# Altium PCB wtc_spi.PcbDoc (part 1 of 2)
Units mm, origin at the board's own origin, x right, y up, seen from the top; angles counter-clockwise.
Board outline 131 x 99 mm, 2 copper layers (Top Layer, Bottom Layer), stack 1.571 mm thick; 159 components, 104 nets, 783 pads, 158 vias.
Unrouted connection lines stored in the file: 1.
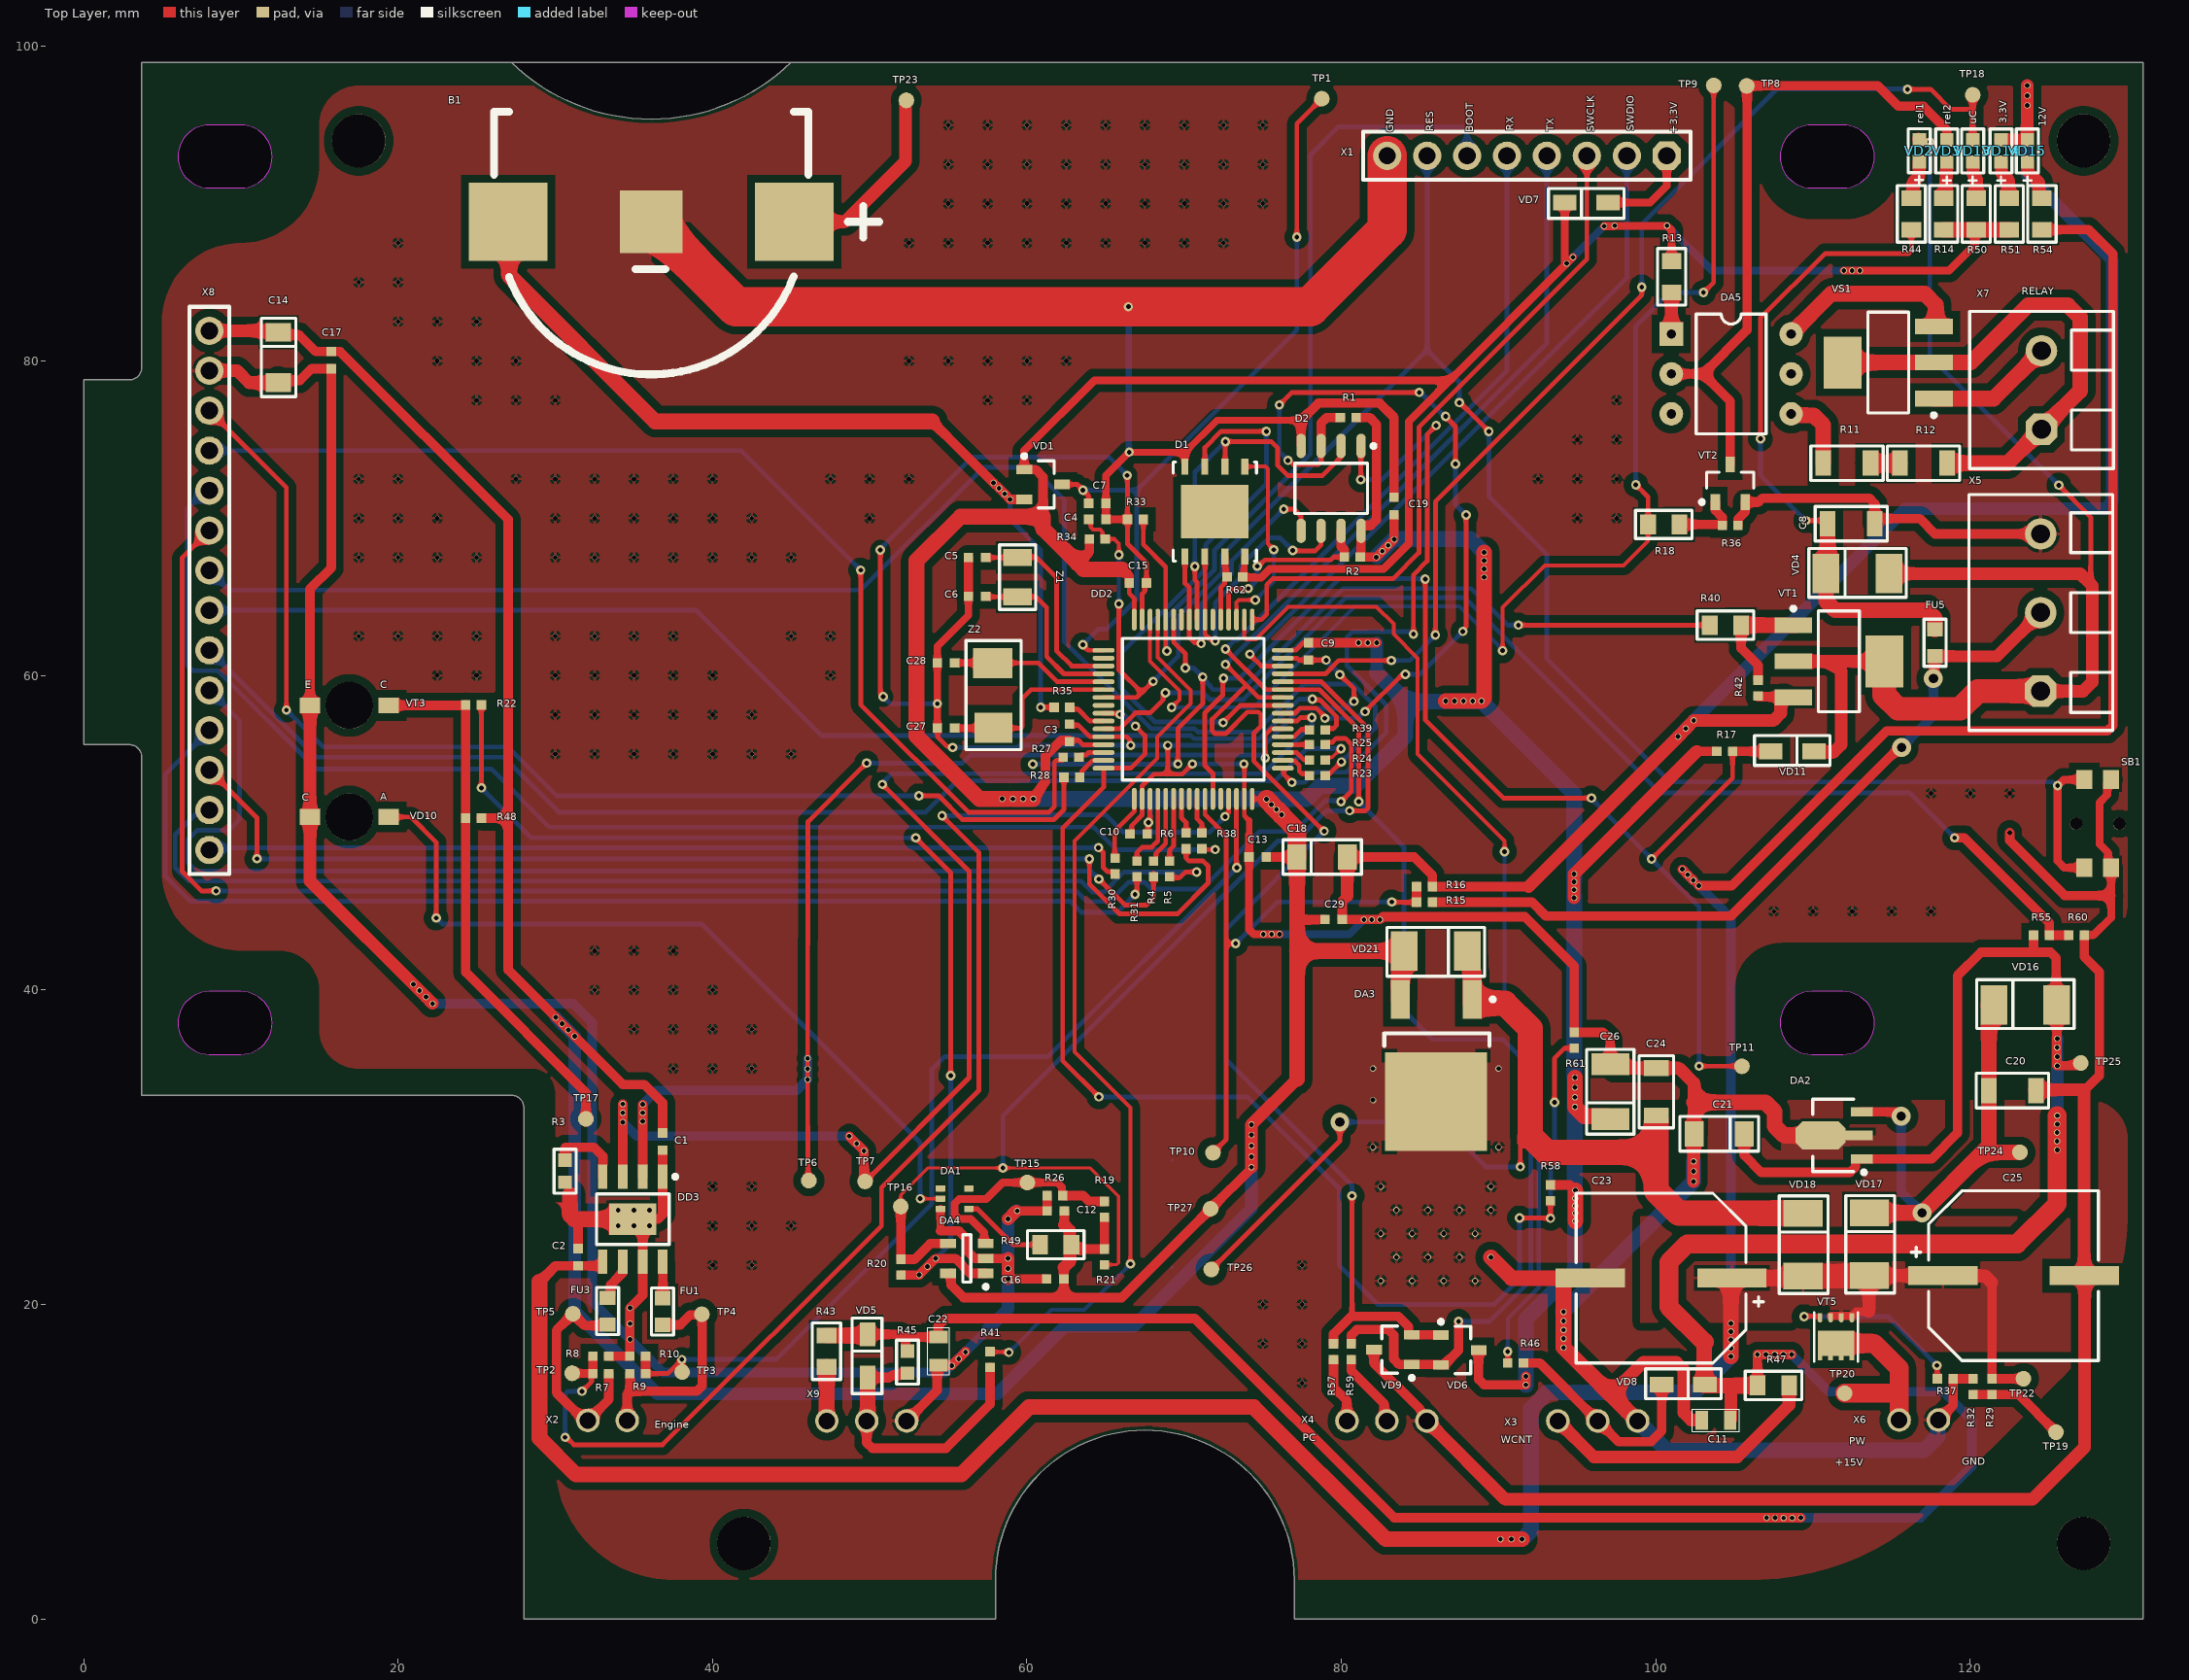
[diagram p0: Top Layer view]
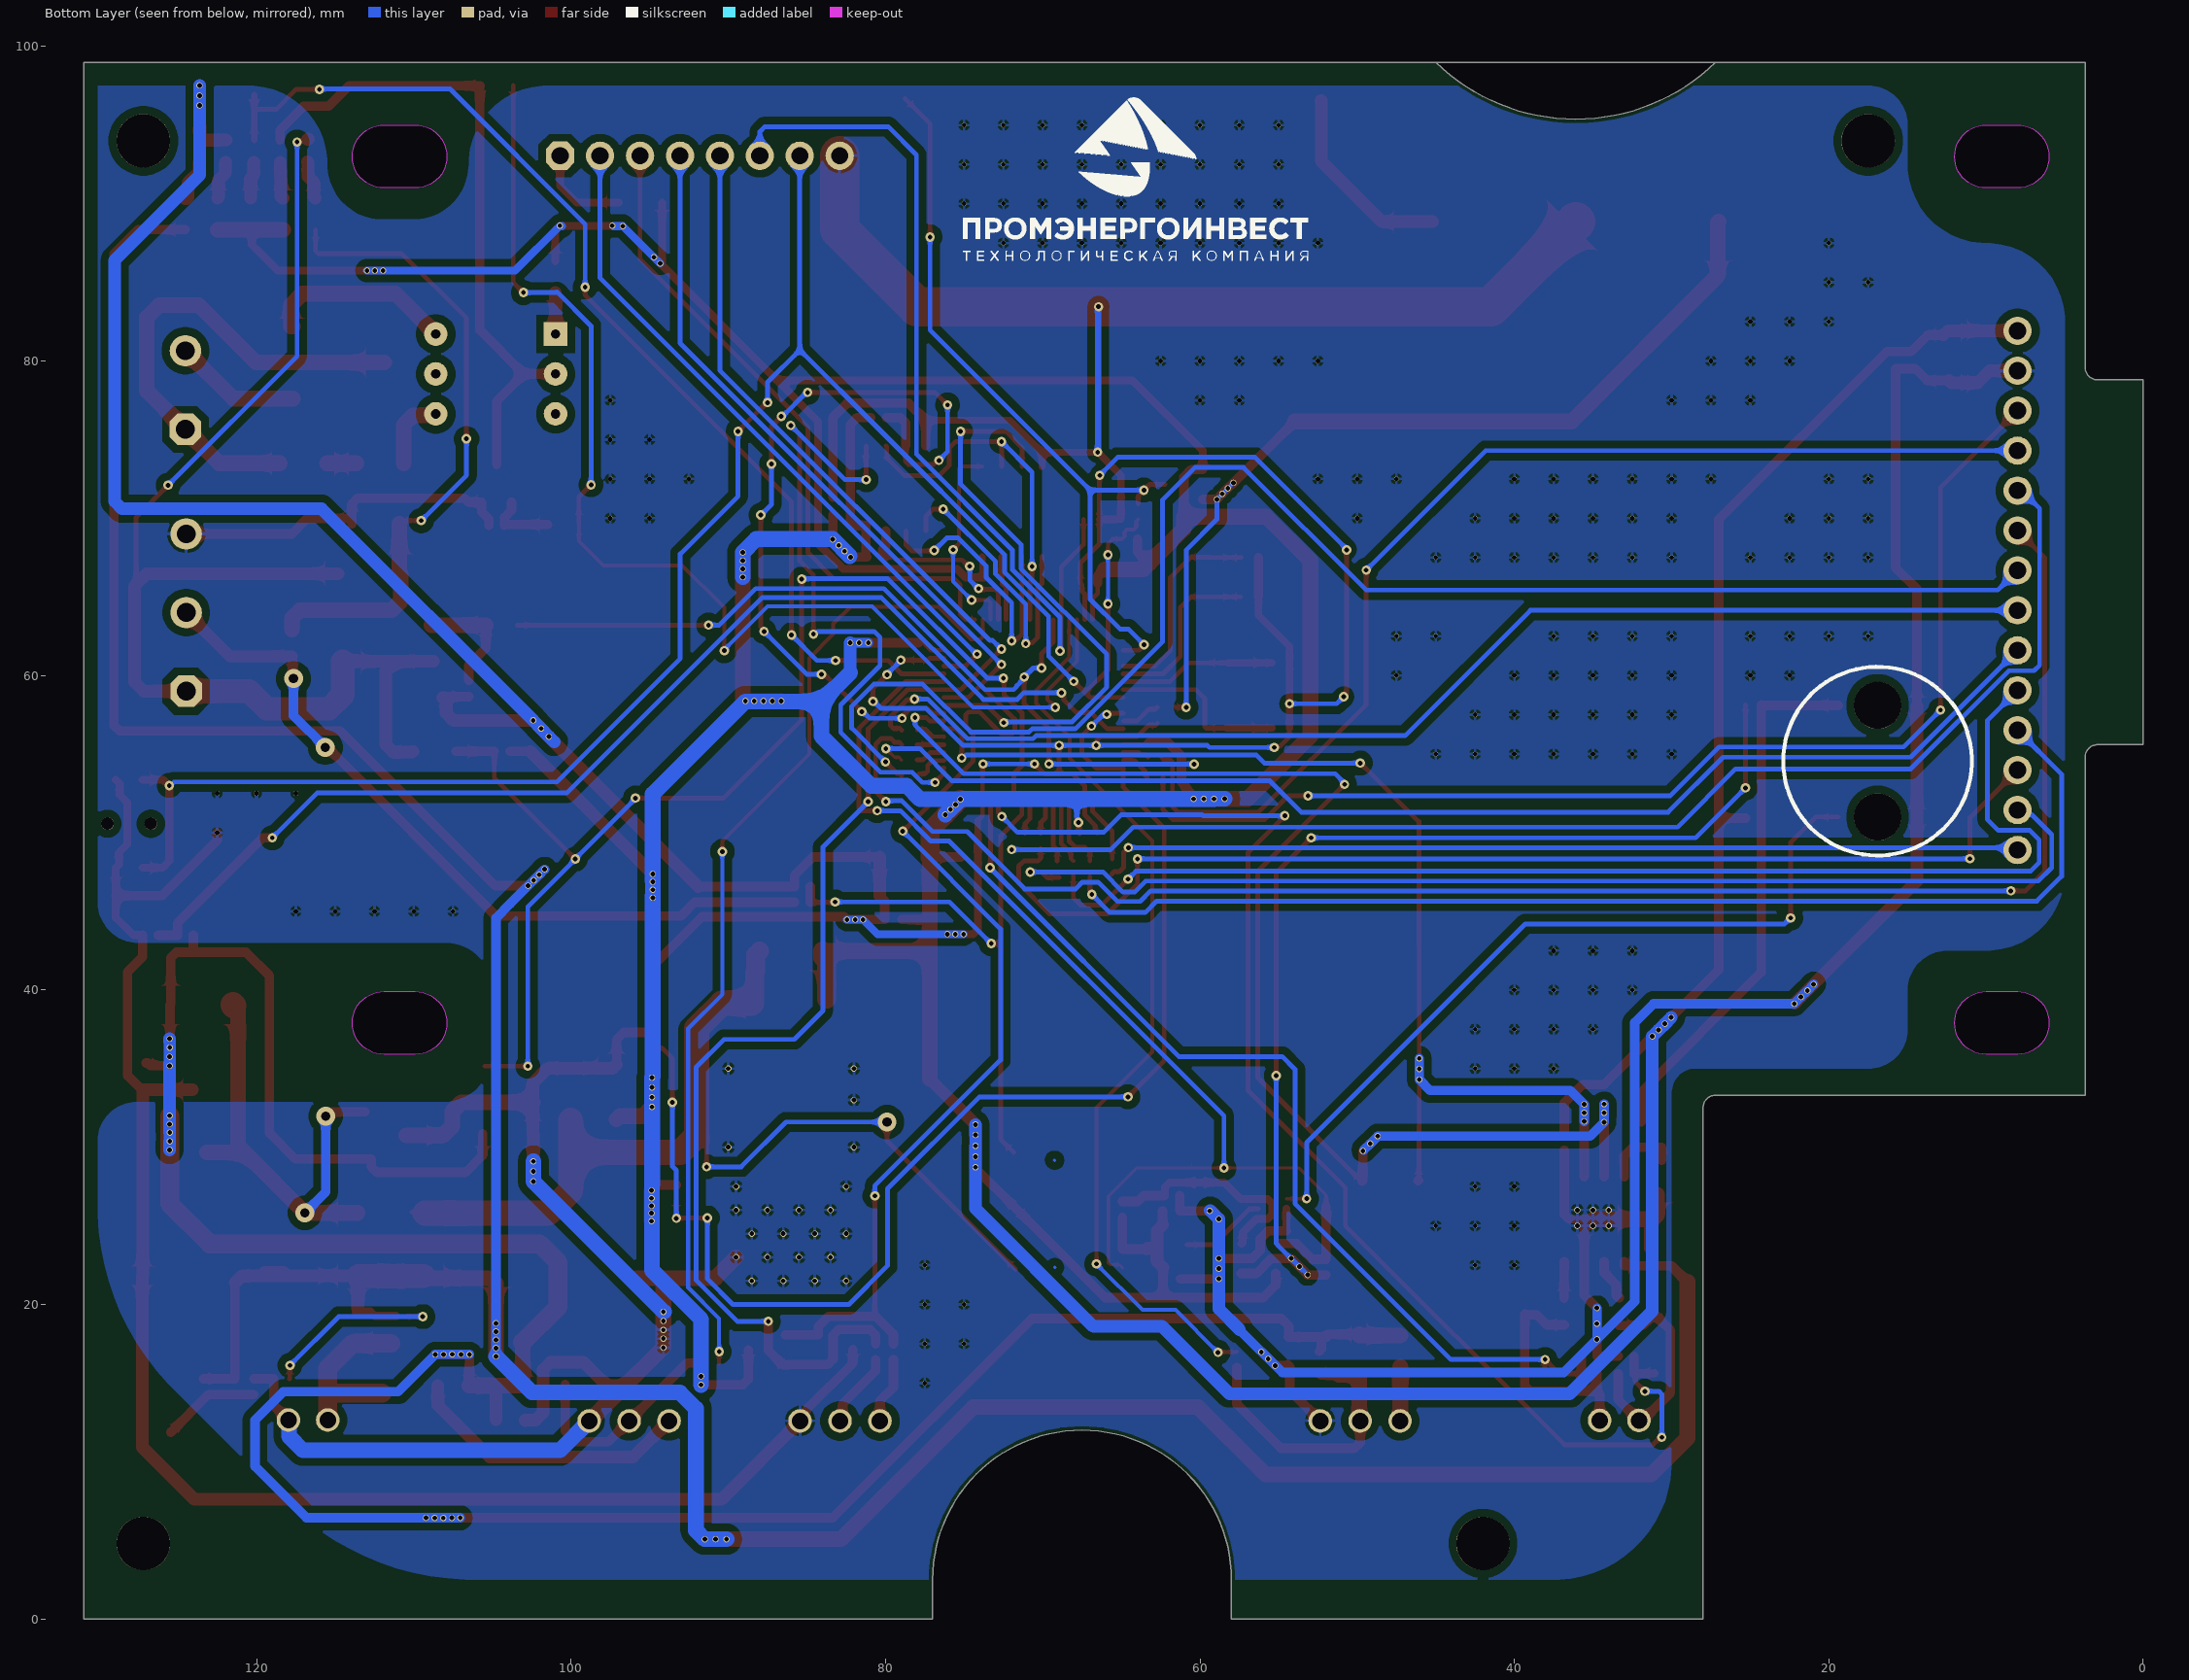
[diagram p1: Bottom Layer view, seen from below]
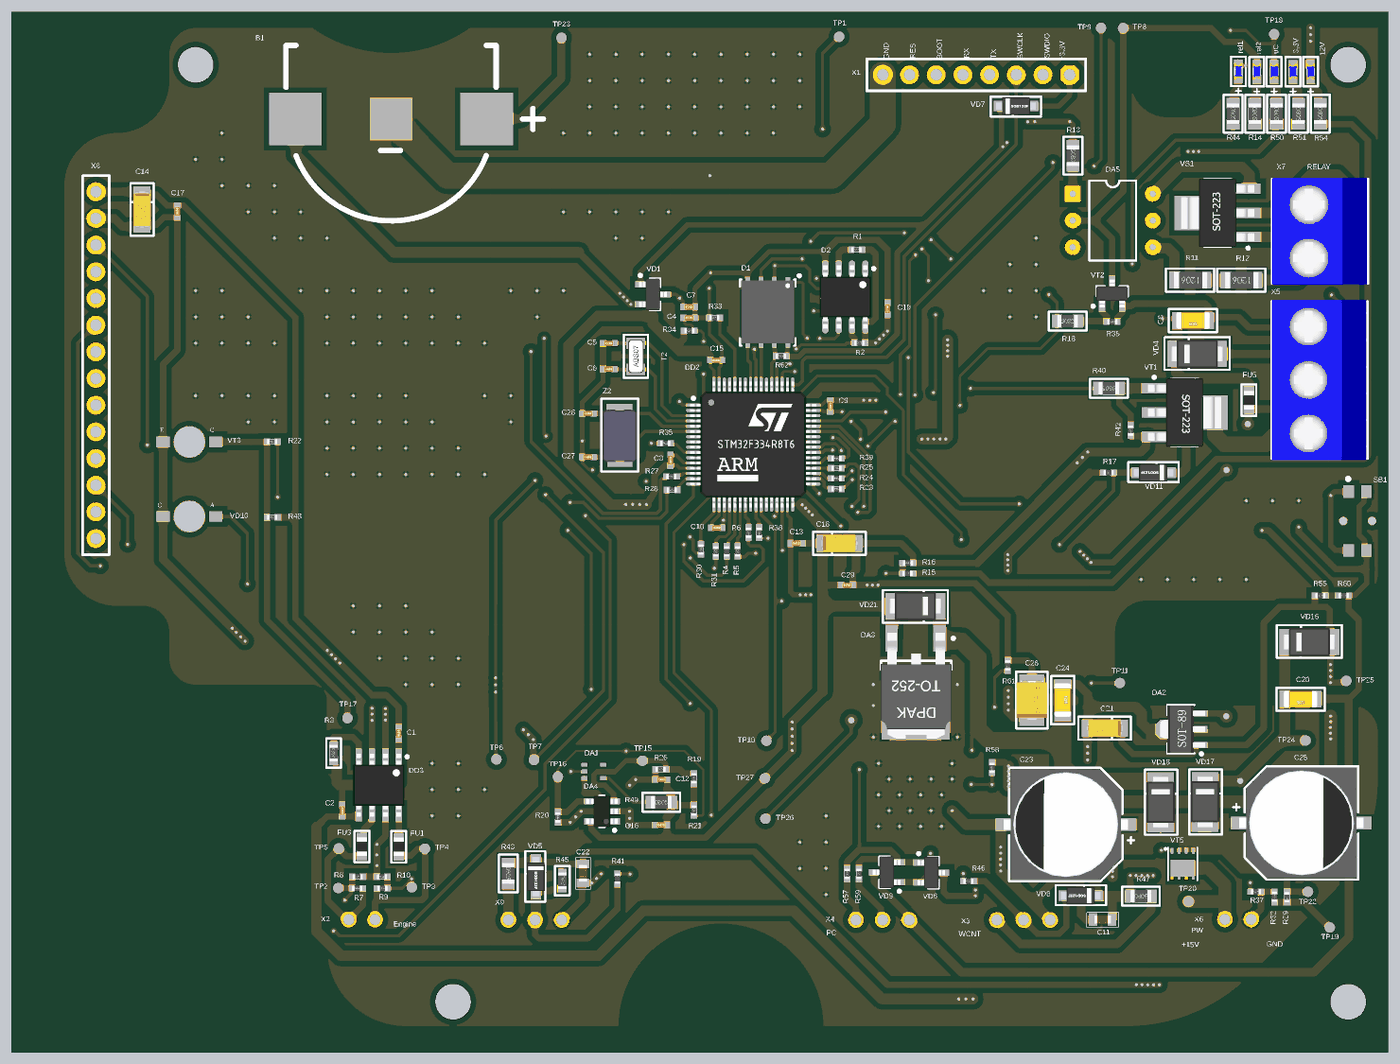
[diagram p3: 3D render of the assembled board from above, using the file's embedded part models]

## Layer stack, top to bottom
Top Solder: solder mask 0.0102, Solder Resist, Dk 3.5
Top Layer: signal copper 0.0356
Dielectric 1: dielectric 1.5, FR-4, Dk 4.8
Bottom Layer: signal copper 0.0356
Bottom Solder: solder mask 0.0102, Solder Resist, Dk 3.5

## Board outline
27.2,99 ccw(c36.1,108.12) 45,99 25.725,99 131,99 131,0 77,0 77,2.5 ccw(c67.5,2.5) 67.5,12 ccw(c67.5,2.5) 58,2.5 58,0 28,0 28,32.5 ccw(c27.2,32.5) 27.2,33.3 3.7,33.3 3.7,54.8 ccw(c2.9,54.8) 2.9,55.6 0,55.6 0,78.8 2.9,78.8 ccw(c2.9,79.6) 3.7,79.6 3.7,99
cut-out: 6,37.9 ccw(c8,37.9) 8,35.9 10,35.9 ccw(c10,37.9) 12,37.9 ccw(c10,37.9) 10,39.9 8,39.9 ccw(c8,37.9)
cut-out: 6,93 ccw(c8,93) 8,91 10,91 ccw(c10,93) 12,93 ccw(c10,93) 10,95 8,95 ccw(c8,93)
cut-out: 107.9,37.9 ccw(c109.9,37.9) 109.9,35.9 111.9,35.9 ccw(c111.9,37.9) 113.9,37.9 ccw(c111.9,37.9) 111.9,39.9 109.9,39.9 ccw(c109.9,37.9)
cut-out: 107.9,93 ccw(c109.9,93) 109.9,91 111.9,91 ccw(c111.9,93) 113.9,93 ccw(c111.9,93) 111.9,95 109.9,95 ccw(c109.9,93)

## Design rules (kind name [scope] priority, off if disabled: settings)
AcuteAngle [All] p1: minimum=3.50000000000000E+0001 checktracksonly=FALSE
BoardOutlineClearance "BoardOutlineClearance 1" [All] p1: gap=0.25 ignorepadtopadclearanceinfootprint=FALSE except(0: Arc-SplitContinuation Track-SplitContinuation SMDPad-SplitContinuation THPad-SplitContinuation Via-SplitContinuation Fill-SplitContinuation Poly-SplitContinuation Region-SplitContinuation Text-SplitContinuation) // Milling
BoardOutlineClearance "BoardOutlineClearance 2" [All] p2: gap=0.4 ignorepadtopadclearanceinfootprint=FALSE except(0: Arc-SplitContinuation Track-SplitContinuation SMDPad-SplitContinuation THPad-SplitContinuation Via-SplitContinuation Fill-SplitContinuation Poly-SplitContinuation Region-SplitContinuation Text-SplitContinuation) // V-Cut
Clearance "Clearance-1 1/2 Oz" [All] p1: gap=0.125 ignorepadtopadclearanceinfootprint=FALSE except(0.2: SMDPad-SMDPad Poly-Region Poly-Text Poly-Hole; 0.25: Arc-Hole Track-Hole SMDPad-Hole THPad-Hole Via-Hole Fill-Hole Region-Hole Text-Hole; 0.5: Arc-Fill Arc-Poly Track-Fill Track-Poly SMDPad-Fill SMDPad-Poly THPad-Fill THPad-Poly Via-Fill Via-Poly Fill-Fill Fill-Poly Poly-Poly) // Standart
DiffPairsRouting "DiffPairsRouting 1 Oz" [All] p1: maxlimit=0.254 minlimit=0.2 mostfreqgap=0.254 toplayer_minwidth=0.2 toplayer_maxwidth=0.381 toplayer_prefwidth=0.381 bottomlayer_minwidth=0.2 bottomlayer_maxwidth=0.381 bottomlayer_prefwidth=0.381 maxuncoupledlength=12.7
HoleSize "Minimum HoleSize" [IsPad] p1: absolutevalues=TRUE maxlimit=5.9 minlimit=0.6 maxpercent=80.000 minpercent=20.000
HoleSize "Minimum HoleSize VIA 1" [IsVia] p2: absolutevalues=TRUE maxlimit=5.9 minlimit=0.3 maxpercent=80.000 minpercent=20.000 // Standart
HoleSize "Minimum HoleSize VIA 2" [IsVia] p3: absolutevalues=TRUE maxlimit=5.9 minlimit=0.2 maxpercent=80.000 minpercent=20.000 // Advance
HoleToHoleClearance Hole2HoleClearance [All] p1: gap=0.25 allowstackedmicrovias=FALSE
MinimumAnnularRing "Minimum AR VIA Standart" [IsVia] p1: minimumring=0.15
MinimumAnnularRing "Minimum AR PAD Standart" [IsPAD] p2: minimumring=0.2
MinimumAnnularRing "Minimum AR VIA Advance" [IsVia] p3: minimumring=0.1
MinimumAnnularRing "Minimum AR PAD Advance" [IsPAD] p4: minimumring=0.15
MinimumSolderMaskSliver "SolderMask Bridge Standart" [All] p1: minsoldermaskwidth=0.15 // All Masks
MinimumSolderMaskSliver "SolderMask Bridge Advance" [All] p2: minsoldermaskwidth=0.1 // Mask LDI
PlaneClearance "PlaneClearance-1 1/2 Oz" [All] p1: clearance=0.2 // Standart
PlaneConnect "TermalConnect-1 1/2 Oz" [All] p1: planeconnectstyle=Relief reliefexpansion=0.2 reliefentries=4 reliefconductorwidth=0.2 reliefairgap=0.2 // Standart
PolygonConnect "PolygonConnect 5V" [InNet('+5V') vs InNet('+5V')] p1: connectstyle=Direct reliefconductorwidth=0.254 reliefentries=4 polygonreliefangle="90 Angle" airgapwidth=0.254
PolygonConnect "PolygonConnect 3,3V" [InNet('+3.3V') vs InNet('+3.3V')] p2: connectstyle=Direct reliefconductorwidth=0.254 reliefentries=4 polygonreliefangle="90 Angle" airgapwidth=0.254
PolygonConnect "PolygonConnect-1 1/2 Oz" [InNet('GND') vs InNet('GND')] p3: thpad.connectstyle=Relief thpad.reliefconductorwidth=0.2 thpad.reliefentries=4 thpad.polygonreliefangle="90 Angle" thpad.airgapwidth=0.2 smdpad.connectstyle=Relief smdpad.reliefconductorwidth=5 smdpad.reliefentries=4 smdpad.polygonreliefangle="90 Angle" smdpad.airgapwidth=0.2 via.connectstyle=Relief via.reliefconductorwidth=0.2 via.reliefentries=4 via.polygonreliefangle="90 Angle" via.airgapwidth=0.2 // Standart
PolygonConnect "PolygonConnect-1 1/2 Oz_1" [All] p4: connectstyle=Relief reliefconductorwidth=0.2 reliefentries=4 polygonreliefangle="90 Angle" airgapwidth=0.2 // Standart
RoutingCorners [All] p1 off: cornerstyle=45-Degree minsetback=2.54 maxsetback=2.54
RoutingVias [All] p1: holewidth=0.3 width=0.6 viastyle="Through Hole" minholewidth=0.2 minwidth=0.4 maxholewidth=5.9 maxwidth=6.4
SilkToSilkClearance Silk2SilkClearance [All] p1 off: silktosilkclearance=0.15
SilkToSolderMaskClearance Silk2SolderMaskClearance [IsPad] p1 off: minsilkscreentomaskgap=0.15 clearancetoexposedcopper=TRUE
SolderMaskExpansion SolderMaskExpansion-1 [All] p1: expansion=0.05 istentingtop=FALSE // Standart
SolderMaskExpansion "SolderMaskExpansion LDI" [All] p2: expansion=0.025 istentingtop=FALSE // Advance
UnRoutedNet [All] p1: checkbadconnections=TRUE
Width "Width 1 Oz" [All] p1: maxlimit=10 minlimit=0.15 preferedwidth=0.2 checkconnectedcopper=TRUE
Width "Width 1/2 Oz" [All] p2: maxlimit=10 minlimit=0.1 preferedwidth=0.125 checkconnectedcopper=TRUE
20 further rules are at their usual default settings.

## Classes and differential pairs
component class 4_PowerSupplie: B1 C20 C21 C23 C24 C25 C26 DA2 DA3 R29 R32 R37 R55 R58 R60 R61 TP19 TP20 TP22 TP23 TP24 TP25 TP26 TP27 VD16 VD17 VD18 VD21 VT5 X6
component class 3_InfoPerif: C11 C12 C14 C16 C17 C22 DA1 DA4 R19 R20 R21 R22 R26 R41 R43 R45 R46 R47 R48 R49 R50 R51 R54 R57 R59 TP15 TP16 TP17 TP18 VD5 VD6 VD8 VD9 VD10 VD13 VD14 VD15 VT3 X3 X4 X8 X9
component class 2_PowerPerif: C2 C8 DA5 DD3 FU1 FU3 FU5 R3 R7 R8 R9 R10 R11 R12 R13 R14 R15 R16 R17 R18 R36 R40 R42 R44 TP2 TP3 TP4 TP5 TP6 TP7 TP8 TP9 TP10 TP11 VD2 VD3 VD4 VD11 VS1 VT1 VT2 X2 X5 X7
component class 1_uC: C1 C3 C4 C5 C6 C7 C9 C10 C13 C15 C18 C19 C27 C28 C29 D1 D2 DD2 R1 R2 R4 R5 R6 R23 R24 R25 R27 R28 R30 R31 R33 R34 R35 R38 R39 R62 SB1 TP1 VD1 VD7 X1 Z1 Z2

## Components (designator, comment, footprint, x,y, rotation, side; value= is the part's Value field where it differs from the comment)
B1 "CR2032" "BAT: CR2032_SM" 36.1,88.85 r0 top
C1 "0.1u, 6.3V" CH0402C 36.825,30.35 r90 top
C2 "0.1u, 50V" CH0402C 31.45,23 r270 top
C3 "4,7uF" CH0402C 62.7,56.35 r90 top
C4 "4,7uF" CH0402C 64.475,69.925 r180 top
C5 "10pF" CH0402C 56.825,67.5 r180 top
C6 "10pF" CH0402C 56.825,65.025 r0 top
C7 "4,7uF, 6.3V" CH0402C 64.475,70.95 r180 top
C8 "10u, 50V" CH1206C 112.425,69.65 r180 top
C9 "400nF" CH0402C 77.9,61.525 r270 top
C10 "4,7uF" CH0402C 67.1,49.925 r0 top
C11 "0,1uF, 6.3V" C_0603 103.825,12.625 r0 top
C12 "0.1u, 6.3V" CH0402C 61.825,25.95 r0 top
C13 "4,7uF" CH0402C 74.675,48.45 r0 top
C14 "22u, 6.3V" TANTAL_A 12.4,80.225 r270 top
C15 "4,7uF" CH0402C 67.05,65.875 r180 top
C16 "0.1u, 6.3V" CH0402C 61.8,21.625 r0 top
C17 "0.1u, 6.3V" CH0402C 15.75,80.05 r90 top
C18 "22u, 6.3V" TANTAL_A 78.775,48.45 r0 top
C19 "0.1u, 6.3V" CH0402C 83.35,70.775 r270 top
C20 "10u, 50V" CH1206C 122.675,33.6 r180 top
C21 "22u, 6.3V" TANTAL_A 104.025,30.85 r180 top
C22 "0,1uF, 6.3V" C_0603 54.375,17.025 r90 top
C23 "330u, 25V" D10C4.4H10 100.325,21.675 r180 top
C24 "10u, 50V" CH1206C 100.025,33.525 r270 top
C25 "330u, 25V" D10C4.4H10 122.75,21.825 r0 top
C26 "100u,6.3V" TANTAL_B 97.1,33.525 r90 top
C27 "8pF" CH0402C 54.85,56.65 r0 top
C28 "8pF" CH0402C 54.85,60.8 r0 top
C29 "0.1u, 6.3V" CH0402C 79.5,44.475 r180 top
D1 "W25Q128FVPIG" "8-WSON (5X6MM)WITHOUT_HOLES" 71.95,70.425 r270 top
D2 "FM25L16B" 8-SOIC 79.34,71.9 r270 top
DA1 "PSSI2021SAY" SOT353 54.5,27.375 r0 top
DA2 "L78L05ABUTR" SOT89_PC12120 111.3,30.75 r180 top
DA3 "LP2950CDT-3.3RKG" DPAK_213 86.025,36.15 r270 top
DA4 "TS391RILT" SOT23-5 56.175,22.925 r180 top
DA5 "MOC3043SR2M" DIP6 100.98,81.715 r0 top
DD2 "STM32F103RCT6" 64-LQFP 70.575,57.85 r0 top
DD3 "DRV8871" 8-HSOP 34.925,25.425 r270 top
FU1 "MFU0603FF02000P500" CH0603F 36.825,19.55 r270 top
FU3 "MFU0603FF02000P500" CH0603F 33.325,19.575 r270 top
FU5 "MFU0603FF02500P500" CH0603F 117.75,62.075 r270 top
R1 "10 кОм" CH0402R 80.425,76.4 r0 top
R2 "10 кОм" CH0402R 80.7,67.525 r0 top
R3 "32k" CH0603R 30.625,28.475 r90 top
R4 "330 Ом" CH0402R 68.05,47.7 r90 top
R5 "330 Ом" CH0402R 69.075,47.7 r90 top
R6 "330 Ом" CH0402R 70.125,49.475 r90 top
R7 "10k" CH0402R 32.9,15.6 r0 top
R8 "68k" CH0402R 32.9,16.7 r180 top
R9 "10k" CH0402R 35.25,15.6 r180 top
R10 "68k" CH0402R 35.25,16.7 r0 top
R11 "360" CH1206R 112.15,73.5 r180 top
R12 "360" CH1206R 117.025,73.5 r180 top
R13 "360" CH0805R 101,85.35 r90 top
R14 "1k" CH0805R 118.3,89.35 r270 top
R15 "10k" CH0402R 85.275,45.575 r0 top
R16 "68k" CH0402R 85.275,46.575 r180 top
R17 "30k" CH0402R 104.375,55.175 r180 top
R18 "100" CH0805R 100.5,69.6 r180 top
R19 "10k" CH0402R 64.925,26.05 r270 top
R20 "0" CH0402R 51.975,22.375 r90 top
R21 "3k" CH0402R 64.925,23.025 r90 top
R22 "90k" CH0402R 24.8,58.125 r0 top
R23 "330 Ом" CH0402R 78.475,53.625 r180 top
R24 "330 Ом" CH0402R 78.475,54.625 r180 top
R25 "330 Ом" CH0402R 78.475,55.6 r180 top
R26 "90k" CH0402R 61.775,26.925 r0 top
R27 "330 Ом" CH0402R 62.8,54.8 r0 top
R28 "330 Ом" CH0402R 62.85,53.525 r0 top
R29 "10k" CH0402R 121.375,14.775 r90 top
R30 "330 Ом" CH0402R 65.6,47.875 r90 top
R31 "330 Ом" CH0402R 67,47.7 r90 top
R32 "91k" CH0402R 120.175,14.775 r270 top
R33 "10K" CH0402R 66.9,69.925 r0 top
R34 "10K" CH0402R 64.475,68.675 r180 top
R35 "30 kОм" CH0402R 62.225,57.975 r0 top
R36 "4.7k" CH0402R 104.725,69.55 r180 top
R37 "100k" CH0402R 118.4,15.275 r180 top
R38 "330 Ом" CH0402R 71.125,49.475 r90 top
R39 "330 Ом" CH0402R 78.475,56.525 r180 top
R40 "100" CH0805R 104.425,63.2 r180 top
R41 "330" CH0402R 57.65,16.5 r270 top
R42 "4.7k" CH0402R 106.5,59.2 r90 top
R43 "100" CH0805R 47.25,17.025 r270 top
R44 "15k" CH0805R 116.25,89.35 r270 top
R45 "10k" CH0603R 52.4,16.325 r270 top
R46 "330" CH0402R 91.075,16.275 r0 top
R47 "100" CH0805R 107.475,14.85 r0 top
R48 "3.3k" CH0402R 24.8,50.925 r0 top
R49 "15" CH0805R 61.825,23.8 r0 top
R50 "1k" CH0805R 120.375,89.35 r270 top
R51 "3k" CH0805R 122.475,89.35 r270 top
R54 "15k" CH0805R 124.55,89.35 r270 top
R55 "10k" CH0402R 124.525,43.475 r180 top
R57 "100" CH0402R 79.5,17 r90 top
R58 "10k" CH0402R 93.3,27.1 r90 top
R59 "100" CH0402R 80.625,17 r90 top
R60 "10k" CH0402R 126.75,43.475 r180 top
R61 "10k" CH0402R 94.8,36.8 r270 top
R62 "10 кОм" CH0402R 73.225,66.275 r0 top
SB1 "\"Кнопка\"" TL1014BF160QG 126.725,50.575 r90 top
TP1 "=value" TESTPOINT 78.75,96.675 r90 top
TP2 "=value" TESTPOINT 31.075,15.625 r90 top
TP3 "=value" TESTPOINT 38.075,15.7 r90 top
TP4 "=value" TESTPOINT 39.325,19.375 r90 top
TP5 "=value" TESTPOINT 31.125,19.4 r90 top
TP6 "=value" TESTPOINT 46.125,27.875 r90 top
TP7 "=value" TESTPOINT 49.7,27.825 r90 top
TP8 "=value" TestPoint 105.775,97.5 r90 top
TP9 "=value" TestPoint 103.675,97.525 r90 top
TP10 "=value" TESTPOINT 71.825,29.65 r90 top
TP11 "=value" TESTPOINT 105.475,35.15 r180 top
TP15 "=value" TESTPOINT 60.025,27.75 r180 top
TP16 "=value" TESTPOINT 51.975,26.225 r0 top
TP17 "=value" TESTPOINT 31.95,31.8 r90 top
TP18 "=value" TESTPOINT 120.15,96.925 r90 top
TP19 "=value" TESTPOINT 125.45,11.875 r90 top
TP20 "=value" TESTPOINT 112,14.35 r90 top
TP22 "=value" TESTPOINT 123.375,15.275 r90 top
TP23 "=value" TESTPOINT 52.325,96.575 r90 top
TP24 "=value" TESTPOINT 123.15,29.675 r90 top
TP25 "=value" TESTPOINT 127.025,35.35 r90 top
TP26 "=value" TESTPOINT 71.725,22.225 r90 top
TP27 "=value" TESTPOINT 71.675,26.075 r90 top
VD1 "BAT54A" SOT23_123 61.025,72.15 r0 top
VD2 "GREEN" CH0603LB 116.75,93.375 r90 top
VD3 "GREEN" CH0603LB 118.5,93.35 r90 top
VD4 "B340A-E3/61T" SMA 112.825,66.475 r180 top
VD5 "F1J" SOD123F 49.875,16.725 r90 top
VD6 "BAT54C" SOT23_123 87.525,17.1 r0 top
VD7 "F1J" SOD123F 95.575,90.075 r180 top
VD8 "F1J" SOD123F 101.75,14.9 r0 top
VD9 "PESD3V3S2UT" SOT23_132 83.275,17.125 r180 top